# KiCad board panel12-1616.kicad_pcb (continued)
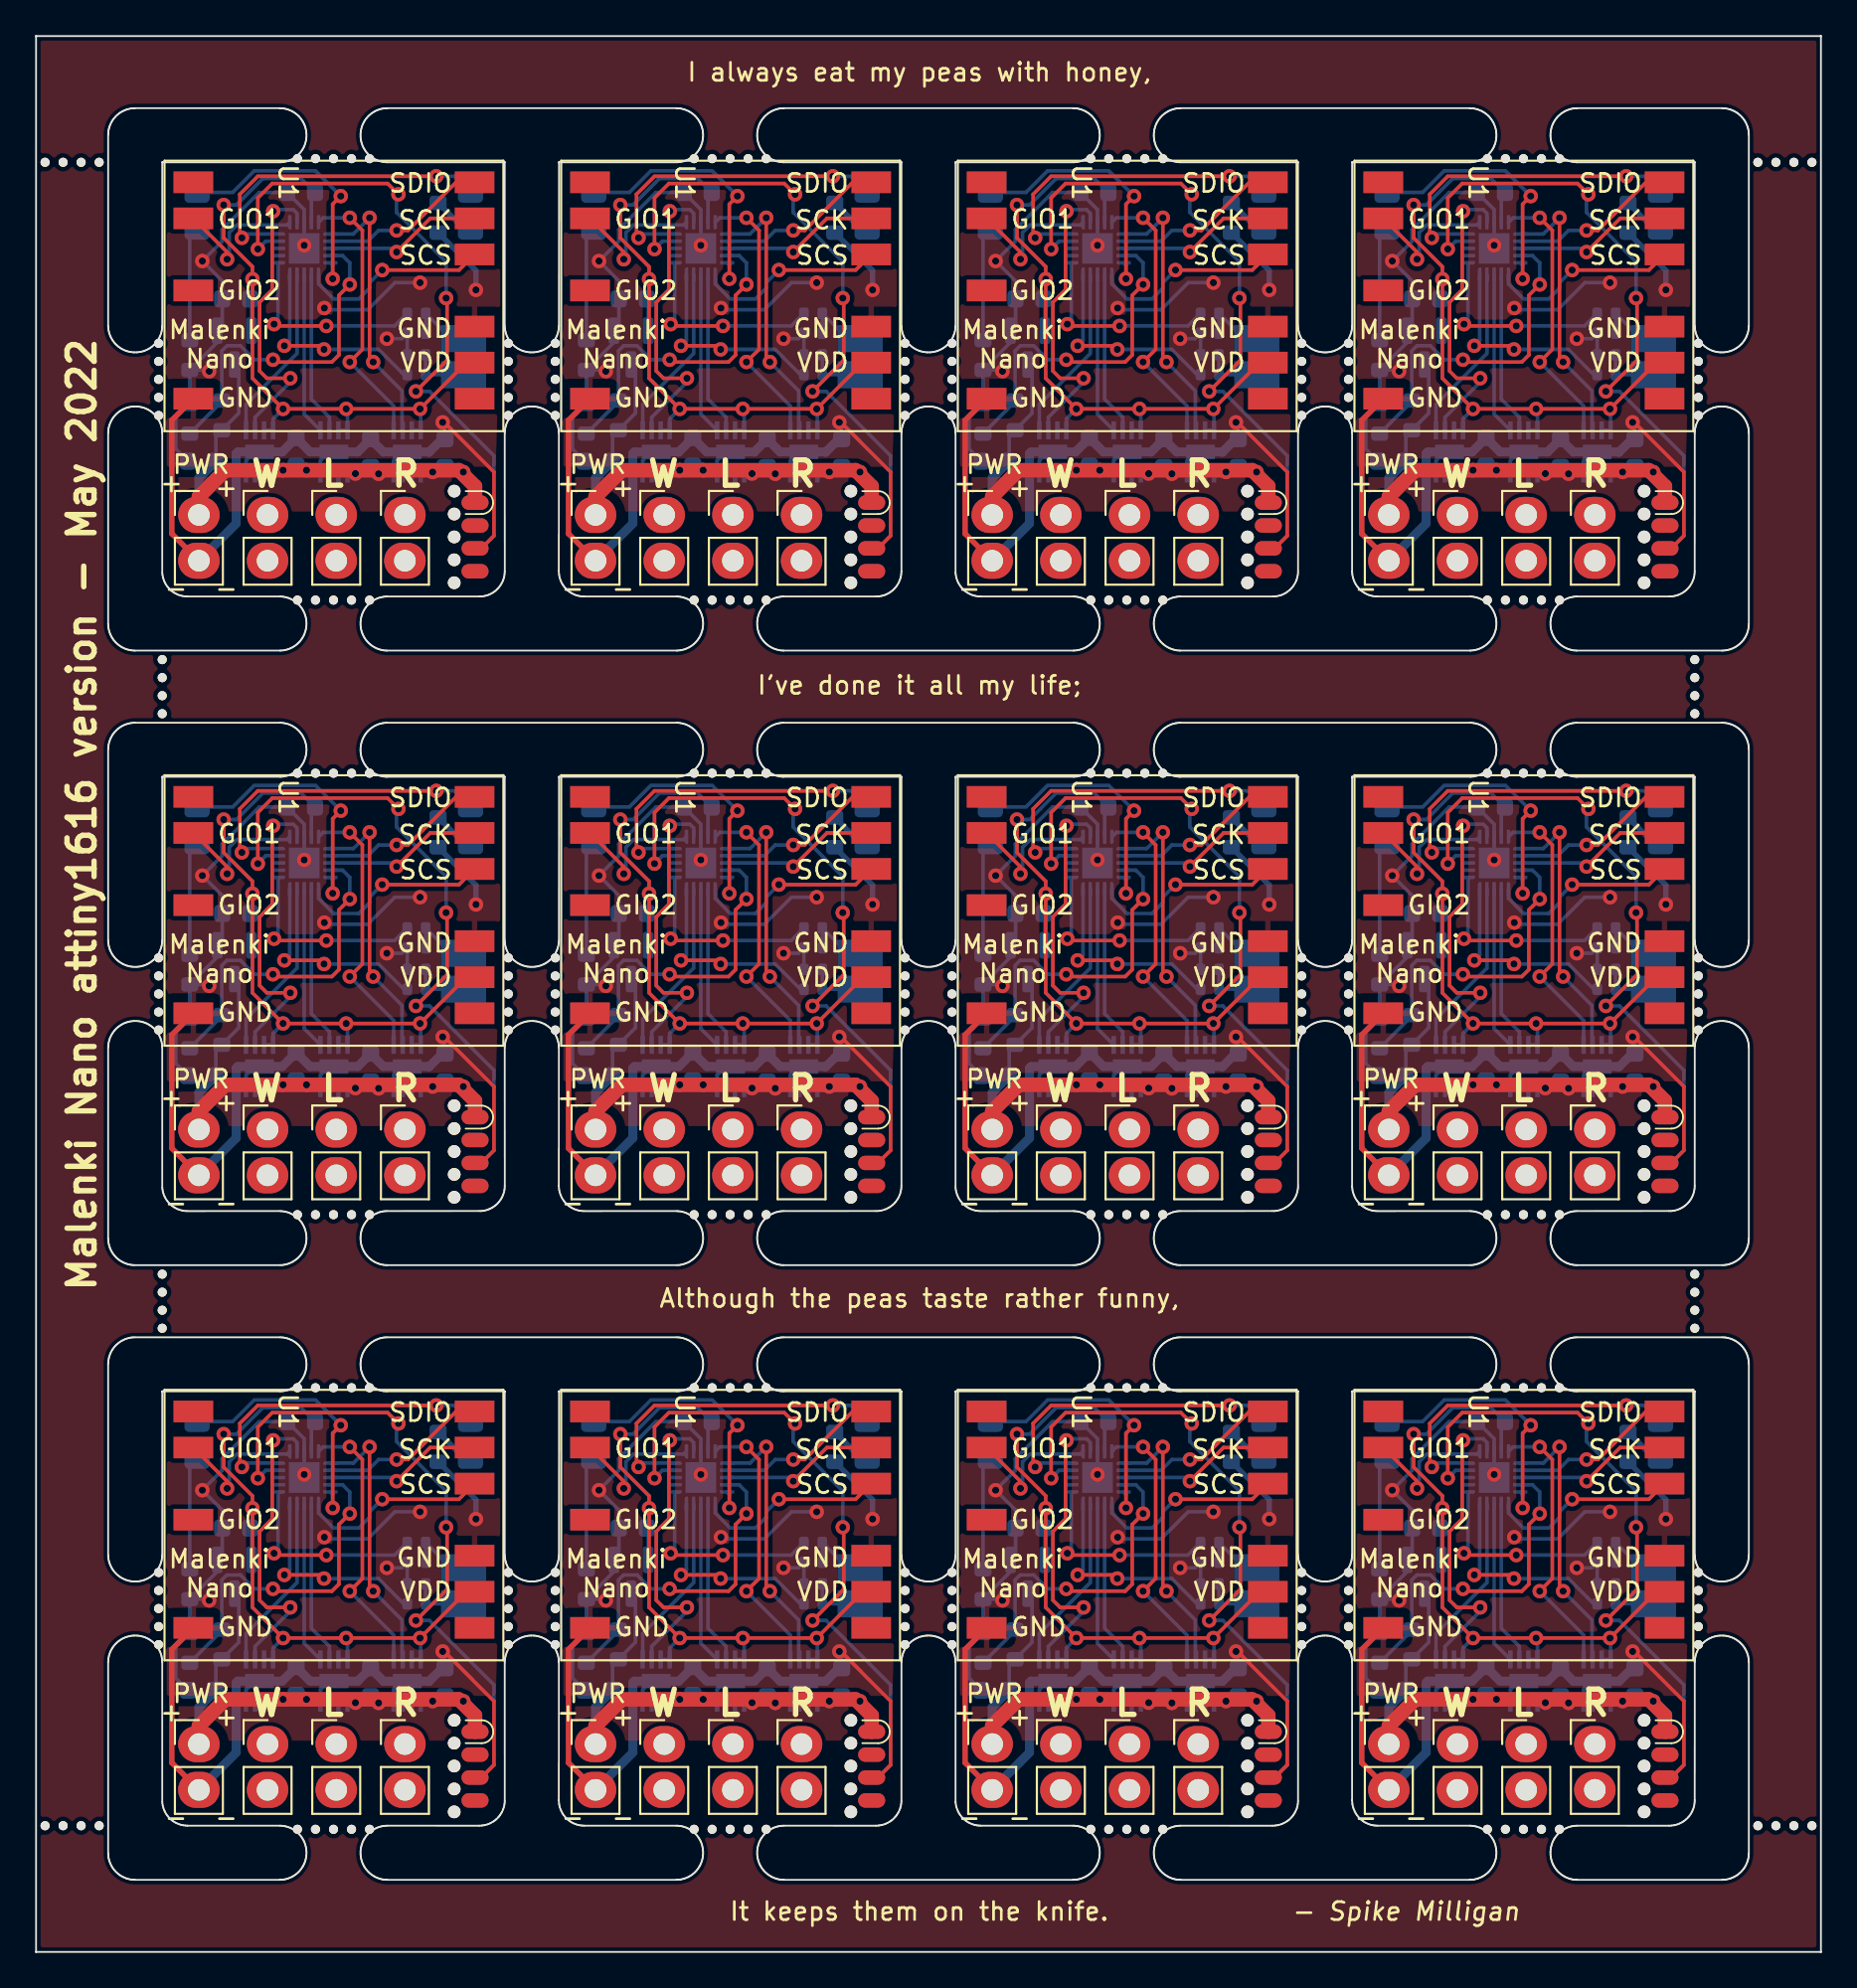
[diagram p0: board, top side]
## Nets (continued)
Board_9-Net-(J6-Pad1): J6#9.1 U6#8.3
Board_9-Net-(J6-Pad2): J6#9.2 U6#8.2
Board_9-Net-(J7-Pad1): J7#9.1 U7#12.3
Board_9-Net-(J7-Pad2): J7#9.2 U7#12.2
Board_9-SPI_SCK: U1#9.13 U3#5.8
Board_9-SPI_SCS: U1#9.12 U3#5.11
Board_9-SPI_SDIO: U1#9.14 U3#5.7
Board_9-TXDEBUG: D2#4.2 U3#5.20
Board_9-unconnected-(J2-Pad2): J2#9.2
Board_9-unconnected-(J2-Pad4): J2#9.4
Board_9-unconnected-(J2-Pad5): J2#9.5
Board_9-unconnected-(J2-Pad7): J2#9.7
Board_9-unconnected-(J2-Pad8): J2#9.8
Board_9-unconnected-(U1-Pad1): U1#9.1
Board_9-unconnected-(U1-Pad4): U1#9.4
Board_9-unconnected-(U1-Pad8): U1#9.8
Board_9-unconnected-(U3-Pad17): U3#5.17
Board_9-unconnected-(U3-Pad18): U3#5.18
Board_9-UPDI: J2#9.6 U3#5.19
Board_9-VBAT: C2#4.1 C5#11.1 C6.1 C7#11.1 J1#12.1 J2#9.1 R3#11.1 U2#6.3 U5#8.1 U6#8.1 U7#12.1
Board_9-VLOGIC: C3#11.1 C4.1 U1#9.9 U2#6.2 U3#5.4 U5#8.7 U5#8.8 U6#8.7 U6#8.8 U7#12.7 U7#12.8
Board_9-VSENSE: R3#11.2 R4#5.1 U3#5.9
Board_9-WEAPON2: J3#10.2 R5#9.1 R7#3.2
Board_9-WEAPON3: J3#10.1 R6#12.1 R8#7.2
Board_10-/W2: R5#7.2 U3#4.15
Board_10-/W3: R6#11.2 U3#4.16
Board_10-BLINKY: D1#4.2 U3#4.10
Board_10-GIO1: U1#4.2 U3#4.1
Board_10-GND: C2.2 C3#4.2 C4#7.2 C5#12.2 C6#9.2 C7#7.2 J1#2.2 J2#8.3 R1#12.2 R2#5.2 R4#7.2 R7.1 R8#2.1 U1#4.7 U1#4.10 U2#7.1 U3#4.3 U3#4.21 U5#10.4 U5#10.9 U6#5.4 U6#5.9 U7#10.4 U7#10.9
Board_10-MOTOR1F: U3#4.2 U5#10.6
Board_10-MOTOR1R: U3#4.14 U5#10.5
Board_10-MOTOR2F: U3#4.12 U6#5.6
Board_10-MOTOR2R: U3#4.13 U6#5.5
Board_10-MOTOR3F: U3#4.6 U7#10.6
Board_10-MOTOR3R: U3#4.5 U7#10.5
Board_10-Net-(D1-Pad1): D1#4.1 R1#12.1
Board_10-Net-(D2-Pad1): D2#6.1 R2#5.1
Board_10-Net-(J5-Pad1): J5#12.1 U5#10.3
Board_10-Net-(J5-Pad2): J5#12.2 U5#10.2
Board_10-Net-(J6-Pad1): J6#11.1 U6#5.3
Board_10-Net-(J6-Pad2): J6#11.2 U6#5.2
Board_10-Net-(J7-Pad1): J7#8.1 U7#10.3
Board_10-Net-(J7-Pad2): J7#8.2 U7#10.2
Board_10-SPI_SCK: U1#4.13 U3#4.8
Board_10-SPI_SCS: U1#4.12 U3#4.11
Board_10-SPI_SDIO: U1#4.14 U3#4.7
Board_10-TXDEBUG: D2#6.2 U3#4.20
Board_10-unconnected-(J2-Pad2): J2#8.2
Board_10-unconnected-(J2-Pad4): J2#8.4
Board_10-unconnected-(J2-Pad5): J2#8.5
Board_10-unconnected-(J2-Pad7): J2#8.7
Board_10-unconnected-(J2-Pad8): J2#8.8
Board_10-unconnected-(U1-Pad1): U1#4.1
Board_10-unconnected-(U1-Pad4): U1#4.4
Board_10-unconnected-(U1-Pad8): U1#4.8
Board_10-unconnected-(U3-Pad17): U3#4.17
Board_10-unconnected-(U3-Pad18): U3#4.18
Board_10-UPDI: J2#8.6 U3#4.19
Board_10-VBAT: C2.1 C5#12.1 C6#9.1 C7#7.1 J1#2.1 J2#8.1 R3#4.1 U2#7.3 U5#10.1 U6#5.1 U7#10.1
Board_10-VLOGIC: C3#4.1 C4#7.1 U1#4.9 U2#7.2 U3#4.4 U5#10.7 U5#10.8 U6#5.7 U6#5.8 U7#10.7 U7#10.8
Board_10-VSENSE: R3#4.2 R4#7.1 U3#4.9
Board_10-WEAPON2: J3#2.2 R5#7.1 R7.2
Board_10-WEAPON3: J3#2.1 R6#11.1 R8#2.2
Board_11-/W2: R5#8.2 U3#12.15
Board_11-/W3: R6#2.2 U3#12.16
Board_11-BLINKY: D1#5.2 U3#12.10
Board_11-GIO1: U1#5.2 U3#12.1
Board_11-GND: C2#5.2 C3#6.2 C4#6.2 C5#10.2 C6#8.2 C7#5.2 J1#6.2 J2#5.3 R1#2.2 R2.2 R4#6.2 R7#4.1 R8#8.1 U1#5.7 U1#5.10 U2#9.1 U3#12.3 U3#12.21 U5#9.4 U5#9.9 U6#2.4 U6#2.9 U7#6.4 U7#6.9
Board_11-MOTOR1F: U3#12.2 U5#9.6
Board_11-MOTOR1R: U3#12.14 U5#9.5
Board_11-MOTOR2F: U3#12.12 U6#2.6
Board_11-MOTOR2R: U3#12.13 U6#2.5
Board_11-MOTOR3F: U3#12.6 U7#6.6
Board_11-MOTOR3R: U3#12.5 U7#6.5
Board_11-Net-(D1-Pad1): D1#5.1 R1#2.1
Board_11-Net-(D2-Pad1): D2#5.1 R2.1
Board_11-Net-(J5-Pad1): J5#3.1 U5#9.3
Board_11-Net-(J5-Pad2): J5#3.2 U5#9.2
Board_11-Net-(J6-Pad1): J6#2.1 U6#2.3
Board_11-Net-(J6-Pad2): J6#2.2 U6#2.2
Board_11-Net-(J7-Pad1): J7#6.1 U7#6.3
Board_11-Net-(J7-Pad2): J7#6.2 U7#6.2
Board_11-SPI_SCK: U1#5.13 U3#12.8
Board_11-SPI_SCS: U1#5.12 U3#12.11
Board_11-SPI_SDIO: U1#5.14 U3#12.7
Board_11-TXDEBUG: D2#5.2 U3#12.20
Board_11-unconnected-(J2-Pad2): J2#5.2
Board_11-unconnected-(J2-Pad4): J2#5.4
Board_11-unconnected-(J2-Pad5): J2#5.5
Board_11-unconnected-(J2-Pad7): J2#5.7
Board_11-unconnected-(J2-Pad8): J2#5.8
Board_11-unconnected-(U1-Pad1): U1#5.1
Board_11-unconnected-(U1-Pad4): U1#5.4
Board_11-unconnected-(U1-Pad8): U1#5.8
Board_11-unconnected-(U3-Pad17): U3#12.17
Board_11-unconnected-(U3-Pad18): U3#12.18
Board_11-UPDI: J2#5.6 U3#12.19
Board_11-VBAT: C2#5.1 C5#10.1 C6#8.1 C7#5.1 J1#6.1 J2#5.1 R3#3.1 U2#9.3 U5#9.1 U6#2.1 U7#6.1
Board_11-VLOGIC: C3#6.1 C4#6.1 U1#5.9 U2#9.2 U3#12.4 U5#9.7 U5#9.8 U6#2.7 U6#2.8 U7#6.7 U7#6.8
Board_11-VSENSE: R3#3.2 R4#6.1 U3#12.9
Board_11-WEAPON2: J3#11.2 R5#8.1 R7#4.2
Board_11-WEAPON3: J3#11.1 R6#2.1 R8#8.2

## Via types
v1: diameter 0.8, hole 0.4, Top to Bottom, 516 vias

## Routing (per net, layer and track width the routed paths; a pad name or vN(x,y) marks a point on that pad's centre or on a via; arc(x,y) is an arc through that point)
Board_0-/W2: length 11.6
  Top w0.2: v1(15.97,88.87) 15.77,89.07 v1(13.78,89.07)
  Bottom w0.2: v1(15.97,88.87) 19,88.87 20.4,87.47 R5#10.2 ; U3#8.15 14.08,89.37 v1(13.78,89.07)
Board_0-/W3: length 11.2
  Top w0.2: v1(13.2,90.27) 13.3,90.17 v1(16.1,90.17)
  Bottom w0.2: R6.2 19.89,90.17 v1(16.1,90.17) ; U3#8.16 13.43,90.5 v1(13.2,90.27)
Board_0-BLINKY: length 14.8
  Top w0.2: v1(16.9,97.37) 16.46,96.93 v1(16.46,92.79)
  Bottom w0.2: D1#7.2 10.91,97.58 12.1,98.77 15.5,98.77 v1(16.9,97.37) ; U3#8.10 16.46,93.54 v1(16.46,92.79)
Board_0-GIO1: length 8.2
  Top w0.2: U1#7.2 10.6,94.26 v1(10.6,93.87)
  Bottom w0.2: U3#8.1 13.93,95.77 11.14,95.77 10.72,95.35 10.72,93.99 v1(10.6,93.87)
Board_0-GND: length 81.6
  Top w0.2: v1(22.56,84.83) 22.6,84.87 25.4,82.07 25.4,78.54 24.7,77.84 J2#11.3
  Top w0.3: J1#10.2 7.53,78.65 7.53,84.95 U1#7.7
  Bottom w0.2: U6#7.4 15.78,82.71 16.25,83.19 U6#7.9 ; v1(9.6,87.66) 9.53,87.73 R1#10.2 ; R7#10.1 R8#6.1 20.29,89.47 v1(19.46,89.47) ; C7.2 22.69,84.7 v1(22.56,84.83) ; C2#7.2 7.75,83.36 7.75,85.08 R4#10.2 R1#10.2 ; U5#3.4 11.65,82.71 12.12,83.19 U5#3.9 ; v1(15.99,91.17) 16.09,91.07 18.4,91.07 19.9,92.57 v1(21.3,92.57) ; R1#10.2 10.05,89.26 U2#11.1 10.33,90.19 C3#10.2 10.33,92.67 v1(9.22,93.77) 10.32,94.87 10.32,95.51 12.38,97.57 C4#12.2 14.88,96.63 U3#8.3 v1(14.88,94.65) U3#8.21 ; U7.9 20.32,83.19 19.84,82.71 U7.4
  Bottom w0.3: R2#2.2 24.4,93.25 v1(24.4,92.17)
  Bottom w0.5: C7.2 22.53,83.9 21.8,83.17 21.79,83.19 U7.9 19.27,83.19 C6#12.2 17.85,83.19 U6#7.9 15.21,83.19 C5#9.2 13.66,83.19 U5#3.9 11.19,83.19 11.1,83.1 11.1,79.22 J1#10.2
Board_0-MOTOR1F: length 16.7
  Top w0.2: v1(13.15,96.54) 13.1,96.49 13.1,92.18 12.4,91.48 12.4,87.67 12.8,87.27 v1(14.1,87.27)
  Bottom w0.2: U3#8.2 14.48,96.42 14.27,96.62 13.24,96.62 v1(13.15,96.54) ; U5#3.6 12.15,85.11 14.1,87.06 v1(14.1,87.27)
Board_0-MOTOR1R: length 9.8
  Bottom w0.2: U3#8.14 14.48,88.65 11.65,85.82 U5#3.5
Board_0-MOTOR2F: length 9.1
  Bottom w0.2: U3#8.12 15.28,86.11 16.28,85.11 U6#7.6
Board_0-MOTOR2R: length 9
  Bottom w0.2: U6#7.5 14.88,85.29 U3#8.13
Board_0-MOTOR3F: length 15.1
  Top w0.2: v1(18.5,96.17) 18.5,88.37 v1(18.7,88.17)
  Bottom w0.2: v1(18.7,88.17) 20.3,86.57 20.3,84.42 U7.6 ; v1(18.5,96.17) 17.6,95.27 U3#8.6
Board_0-MOTOR3R: length 15.2
  Top w0.2: v1(17.4,96.17) 18.1,95.47 18.1,88.87 v1(17.4,88.17)
  Bottom w0.2: v1(17.4,96.17) 15.93,96.17 U3#8.5 ; U7.5 19.84,85.74 v1(17.4,88.17)
Board_0-Net-(D1-Pad1): length 6.3
  Bottom w0.2: R1#10.1 8.53,95.13 D1#7.1
Board_0-Net-(D2-Pad1): length 2.4
  Bottom w0.3: D2#10.1 23.77,95.53 R2#2.1
Board_0-SPI_SCK: length 8.9
  Top w0.2: v1(20,94.27) 21.87,96.14 U1#7.13
  Bottom w0.2: v1(20,94.27) 19.8,94.47 U3#8.8
Board_0-SPI_SCS: length 10.7
  Top w0.2: v1(19.2,93.27) 23.46,93.27 U1#7.12
  Bottom w0.2: v1(19.2,93.27) 18.5,92.57 18.5,92.27 17.9,91.67 16.5,91.67 15.68,92.5 U3#8.11
Board_0-SPI_SDIO: length 9.4
  Top w0.2: v1(20,95.47) 20.64,95.47 23.3,98.14 U1#7.14
  Bottom w0.2: U3#8.7 18.4,94.87 19,95.47 v1(20,95.47)
Board_0-TXDEBUG: length 18.1
  Top w0.2: v1(22.2,98.47) 12.3,98.47 11.3,97.47 11.3,95.17 v1(11.42,95.06)
  Bottom w0.2: v1(11.42,95.06) 11.63,95.27 U3#8.20 ; D2#10.2 23.21,98.47 v1(22.2,98.47)
Board_0-UPDI: length 36.9
  Top w0.2: v1(20.1,97.47) 19.5,98.07 13.1,98.07 12.31,97.28 v1(12.31,94.44) ; v1(22.75,91.72) 22.8,91.66 22.8,88.28 v1(21.07,86.55)
  Bottom w0.2: v1(20.1,97.47) 20,97.37 20,96.47 22.75,93.72 v1(22.75,91.72) ; J2#11.6 24.7,77.84 25.4,78.54 25.4,82.97 21.83,86.55 v1(21.07,86.55) ; U3#8.19 12.74,94.87 v1(12.31,94.44)
Board_0-VBAT: length 27.6
  Top w0.8: J1#10.1 9.03,80.7 10.5,82.17 v1(13.7,82.17) v1(15,82.17) 23.46,82.17 24.35,81.28 J2#11.1
  Bottom w0.2: C2#7.1 9.98,84.07 R3.1 11.25,85.34 11.25,87.79 U2#11.3
  Bottom w0.5: J1#10.1 9.03,81.73 C2#7.1
  vias: v1(17.72,81.99) v1(19,81.97) v1(22,82.07) v1(23.7,82.07)
Board_0-VLOGIC: length 40.4
  Top w0.2: v1(10.41,96.88) 10.41,95.05 12,93.46 v1(12,92.77) 12,87.27 v1(13.7,85.57) v1(17.2,85.57) v1(21.3,85.57) 23.87,88.14 U1#7.9
  Bottom w0.2: v1(21.3,85.57) 21.34,85.54 U7.8 U7.7 ; v1(13.7,85.57) 13.15,85.02 U5#3.8 U5#3.7 ; v1(12,92.77) 12,91.8 C3#10.1 11.95,91.6 U2#11.2 ; v1(10.41,96.88) 11.11,96.88 12.58,98.35 14.7,98.35 C4#12.1 15.28,97.37 U3#8.4 ; U6#7.7 U6#7.8 17.28,85.5 v1(17.2,85.57)
Board_0-VSENSE: length 19.1
  Top w0.2: v1(17.4,92.47) 16.8,91.87 16.8,88.56 16.41,88.17 13.27,88.17 v1(13.14,88.3)
  Bottom w0.2: U3#8.9 17,94.07 17.4,93.67 v1(17.4,92.47) ; v1(13.14,88.3) 12.11,88.3 11.34,89.07 10.59,89.07 10.3,88.79 R3.2 10.3,85.98 R4#10.1
Board_0-WEAPON2: length 3.2
  Bottom w0.2: R7#10.2 R5#10.1 21.61,87.47 J3#6.2
Board_0-WEAPON3: length 3.8
  Bottom w0.2: R8#6.2 R6.1 23.01,89.47 J3#6.1
Board_1-/W2: length 11.6
  Top w0.2: v1(37.98,88.87) 37.78,89.07 v1(35.78,89.07)
  Bottom w0.2: R5#11.2 42.4,87.47 41,88.87 v1(37.98,88.87) ; v1(35.78,89.07) 36.08,89.37 U3#7.15
Board_1-/W3: length 11.2
  Top w0.2: v1(35.21,90.27) 35.31,90.17 v1(38.11,90.17)
  Bottom w0.2: U3#7.16 35.43,90.5 v1(35.21,90.27) ; v1(38.11,90.17) 41.9,90.17 R6#7.2
Board_1-BLINKY: length 14.8
  Top w0.2: v1(38.46,92.79) 38.46,96.93 v1(38.91,97.37)
  Bottom w0.2: U3#7.10 38.46,93.54 v1(38.46,92.79) ; v1(38.91,97.37) 37.51,98.77 34.11,98.77 32.92,97.58 D1#2.2
Board_1-GIO1: length 8.2
  Top w0.2: U1#10.2 32.61,94.26 v1(32.61,93.87)
  Bottom w0.2: v1(32.61,93.87) 32.72,93.99 32.72,95.35 33.15,95.77 35.93,95.77 U3#7.1
Board_1-GND: length 81.6
  Top w0.2: v1(44.56,84.83) 44.61,84.87 47.41,82.07 47.41,78.54 46.71,77.84 J2#10.3
  Top w0.3: U1#10.7 29.54,84.95 29.54,78.65 J1#11.2
  Bottom w0.2: U6#3.4 37.78,82.71 38.26,83.19 U6#3.9 ; v1(41.47,89.47) 42.29,89.47 R8#4.1 R7#11.1 ; U5.9 34.13,83.19 33.65,82.71 U5.4 ; C7#2.2 44.69,84.7 v1(44.56,84.83) ; v1(38,91.17) 38.09,91.07 40.41,91.07 41.91,92.57 v1(43.31,92.57) ; R1.2 32.06,89.26 U2#2.1 32.33,90.19 C3#12.2 32.33,92.67 v1(31.23,93.77) 32.32,94.87 32.32,95.51 34.38,97.57 C4#4.2 36.88,96.63 U3#7.3 v1(36.88,94.65) U3#7.21 ; R1.2 31.54,87.73 v1(31.61,87.66) ; R1.2 R4#8.2 29.76,85.08 29.76,83.36 C2#2.2 ; U7#8.9 42.32,83.19 41.85,82.71 U7#8.4
  Bottom w0.3: v1(46.41,92.17) 46.41,93.25 R2#6.2
  Bottom w0.5: J1#11.2 33.11,79.22 33.11,83.1 33.2,83.19 U5.9 35.66,83.19 C5#4.2 37.21,83.19 U6#3.9 39.85,83.19 C6#7.2 41.27,83.19 U7#8.9 43.8,83.19 43.81,83.17 44.53,83.9 C7#2.2
Board_1-MOTOR1F: length 16.7
  Top w0.2: v1(36.11,87.27) 34.81,87.27 34.41,87.67 34.41,91.48 35.11,92.18 35.11,96.49 v1(35.16,96.54)
  Bottom w0.2: U3#7.2 36.48,96.42 36.27,96.62 35.24,96.62 v1(35.16,96.54) ; v1(36.11,87.27) 36.11,87.06 34.15,85.11 U5.6
Board_1-MOTOR1R: length 9.8
  Bottom w0.2: U5.5 33.65,85.82 36.48,88.65 U3#7.14
Board_1-MOTOR2F: length 9.1
  Bottom w0.2: U6#3.6 38.28,85.11 37.28,86.11 U3#7.12
Board_1-MOTOR2R: length 9
  Bottom w0.2: U3#7.13 36.88,85.29 U6#3.5
Board_1-MOTOR3F: length 15.1
  Top w0.2: v1(40.71,88.17) 40.51,88.37 v1(40.51,96.17)
  Bottom w0.2: U7#8.6 42.31,84.42 42.31,86.57 v1(40.71,88.17) ; v1(40.51,96.17) 39.61,95.27 U3#7.6
Board_1-MOTOR3R: length 15.2
  Top w0.2: v1(39.41,88.17) 40.11,88.87 40.11,95.47 v1(39.41,96.17)
  Bottom w0.2: U3#7.5 37.93,96.17 v1(39.41,96.17) ; v1(39.41,88.17) 41.85,85.74 U7#8.5
Board_1-Net-(D1-Pad1): length 6.3
  Bottom w0.2: R1.1 30.53,95.13 D1#2.1
Board_1-Net-(D2-Pad1): length 2.4
  Bottom w0.3: D2#11.1 45.78,95.53 R2#6.1
Board_1-SPI_SCK: length 8.9
  Top w0.2: v1(42.01,94.27) 43.87,96.14 U1#10.13
  Bottom w0.2: v1(42.01,94.27) 41.81,94.47 U3#7.8
Board_1-SPI_SCS: length 10.7
  Top w0.2: v1(41.21,93.27) 45.47,93.27 U1#10.12
  Bottom w0.2: v1(41.21,93.27) 40.51,92.57 40.51,92.27 39.91,91.67 38.51,91.67 37.68,92.5 U3#7.11
Board_1-SPI_SDIO: length 9.4
  Top w0.2: v1(42.01,95.47) 42.64,95.47 45.31,98.14 U1#10.14
  Bottom w0.2: U3#7.7 40.41,94.87 41.01,95.47 v1(42.01,95.47)
Board_1-TXDEBUG: length 18.1
  Top w0.2: v1(44.21,98.47) 34.31,98.47 33.31,97.47 33.31,95.17 v1(33.42,95.06)
  Bottom w0.2: v1(33.42,95.06) 33.64,95.27 U3#7.20 ; v1(44.21,98.47) 45.22,98.47 D2#11.2
Board_1-UPDI: length 36.9
  Top w0.2: v1(34.31,94.44) 34.31,97.28 35.11,98.07 41.51,98.07 v1(42.11,97.47) ; v1(44.75,91.72) 44.81,91.66 44.81,88.28 v1(43.08,86.55)
  Bottom w0.2: J2#10.6 46.71,77.84 47.41,78.54 47.41,82.97 43.84,86.55 v1(43.08,86.55) ; v1(42.11,97.47) 42.01,97.37 42.01,96.47 44.75,93.72 v1(44.75,91.72) ; v1(34.31,94.44) 34.75,94.87 U3#7.19
Board_1-VBAT: length 27.6
  Top w0.8: J1#11.1 31.04,80.7 32.51,82.17 v1(35.71,82.17) v1(37.01,82.17) 45.46,82.17 46.36,81.28 J2#10.1
  Bottom w0.2: C2#2.1 31.98,84.07 R3#6.1 33.25,85.34 33.25,87.79 U2#2.3
  Bottom w0.5: J1#11.1 31.04,81.73 C2#2.1
  vias: v1(39.72,81.99) v1(41.01,81.97) v1(44.01,82.07) v1(45.71,82.07)
Board_1-VLOGIC: length 40.4
  Top w0.2: U1#10.9 45.87,88.14 v1(43.31,85.57) v1(39.21,85.57) v1(35.71,85.57) 34.01,87.27 v1(34.01,92.77) 34.01,93.46 32.41,95.05 v1(32.41,96.88)
  Bottom w0.2: v1(35.71,85.57) 35.15,85.02 U5.8 U5.7 ; U2#2.2 33.96,91.6 C3#12.1 34.01,91.8 v1(34.01,92.77) ; U3#7.4 37.28,97.37 C4#4.1 36.71,98.35 34.58,98.35 33.12,96.88 v1(32.41,96.88) ; v1(43.31,85.57) 43.35,85.54 U7#8.8 U7#8.7 ; U6#3.7 U6#3.8 39.28,85.5 v1(39.21,85.57)
Board_1-VSENSE: length 19.1
  Top w0.2: v1(39.41,92.47) 38.81,91.87 38.81,88.56 38.42,88.17 35.27,88.17 v1(35.15,88.3)
  Bottom w0.2: R4#8.1 32.31,85.98 R3#6.2 32.31,88.79 32.59,89.07 33.34,89.07 34.12,88.3 v1(35.15,88.3) ; v1(39.41,92.47) 39.41,93.67 39.01,94.07 U3#7.9
Board_1-WEAPON2: length 3.2
  Bottom w0.2: R7#11.2 R5#11.1 43.62,87.47 J3#9.2
Board_1-WEAPON3: length 3.8
  Bottom w0.2: R8#4.2 R6#7.1 45.02,89.47 J3#9.1
Board_2-/W2: length 11.6
  Top w0.2: v1(59.98,88.87) 59.78,89.07 v1(57.79,89.07)
  Bottom w0.2: v1(59.98,88.87) 63.01,88.87 64.41,87.47 R5#4.2 ; v1(57.79,89.07) 58.09,89.37 U3#6.15
Board_2-/W3: length 11.2
  Top w0.2: v1(60.11,90.17) 57.31,90.17 v1(57.21,90.27)
  Bottom w0.2: R6#3.2 63.9,90.17 v1(60.11,90.17) ; U3#6.16 57.44,90.5 v1(57.21,90.27)
Board_2-BLINKY: length 14.8
  Top w0.2: v1(60.47,92.79) 60.47,96.93 v1(60.91,97.37)
  Bottom w0.2: U3#6.10 60.47,93.54 v1(60.47,92.79) ; v1(60.91,97.37) 59.51,98.77 56.11,98.77 54.92,97.58 D1#3.2
Board_2-GIO1: length 8.2
  Top w0.2: U1.2 54.61,94.26 v1(54.61,93.87)
  Bottom w0.2: v1(54.61,93.87) 54.73,93.99 54.73,95.35 55.15,95.77 57.94,95.77 U3#6.1
Board_2-GND: length 81.6
  Top w0.2: v1(66.57,84.83) 66.61,84.87 69.41,82.07 69.41,78.54 68.71,77.84 J2#3.3
  Top w0.3: U1.7 51.54,84.95 51.54,78.65 J1#7.2
  Bottom w0.2: C7#12.2 66.7,84.7 v1(66.57,84.83) ; U6#10.4 59.79,82.71 60.26,83.19 U6#10.9 ; v1(53.61,87.66) 53.54,87.73 R1#11.2 ; R1#11.2 54.06,89.26 U2#3.1 54.34,90.19 C3#5.2 54.34,92.67 v1(53.23,93.77) 54.33,94.87 54.33,95.51 56.39,97.57 C4#9.2 58.89,96.63 U3#6.3 v1(58.89,94.65) U3#6.21 ; R1#11.2 R4#4.2 51.76,85.08 51.76,83.36 C2#3.2 ; U7#5.9 64.33,83.19 63.85,82.71 U7#5.4 ; U5#5.4 55.66,82.71 56.13,83.19 U5#5.9 ; R7#7.1 R8.1 64.3,89.47 v1(63.47,89.47) ; v1(60,91.17) 60.1,91.07 62.41,91.07 63.91,92.57 v1(65.31,92.57)
  Bottom w0.3: R2#4.2 68.41,93.25 v1(68.41,92.17)
  Bottom w0.5: J1#7.2 55.11,79.22 55.11,83.1 55.2,83.19 U5#5.9 57.67,83.19 C5#8.2 59.22,83.19 U6#10.9 61.86,83.19 C6#11.2 63.28,83.19 U7#5.9 65.8,83.19 65.81,83.17 66.54,83.9 C7#12.2
Board_2-MOTOR1F: length 16.7
  Top w0.2: v1(58.11,87.27) 56.81,87.27 56.41,87.67 56.41,91.48 57.11,92.18 57.11,96.49 v1(57.16,96.54)
  Bottom w0.2: v1(58.11,87.27) 58.11,87.06 56.16,85.11 U5#5.6 ; v1(57.16,96.54) 57.25,96.62 58.28,96.62 58.49,96.42 U3#6.2
Board_2-MOTOR1R: length 9.8
  Bottom w0.2: U3#6.14 58.49,88.65 55.66,85.82 U5#5.5
Board_2-MOTOR2F: length 9.1
  Bottom w0.2: U6#10.6 60.29,85.11 59.29,86.11 U3#6.12
Board_2-MOTOR2R: length 9
  Bottom w0.2: U3#6.13 58.89,85.29 U6#10.5
Board_2-MOTOR3F: length 15.1
  Top w0.2: v1(62.51,96.17) 62.51,88.37 v1(62.71,88.17)
  Bottom w0.2: U3#6.6 61.61,95.27 v1(62.51,96.17) ; U7#5.6 64.31,84.42 64.31,86.57 v1(62.71,88.17)
Board_2-MOTOR3R: length 15.2
  Top w0.2: v1(61.41,96.17) 62.11,95.47 62.11,88.87 v1(61.41,88.17)
  Bottom w0.2: U3#6.5 59.94,96.17 v1(61.41,96.17) ; U7#5.5 63.85,85.74 v1(61.41,88.17)
Board_2-Net-(D1-Pad1): length 6.3
  Bottom w0.2: R1#11.1 52.54,95.13 D1#3.1
Board_2-Net-(D2-Pad1): length 2.4
  Bottom w0.3: D2#3.1 67.78,95.53 R2#4.1
Board_2-SPI_SCK: length 8.9
  Top w0.2: v1(64.01,94.27) 65.88,96.14 U1.13
  Bottom w0.2: v1(64.01,94.27) 63.81,94.47 U3#6.8
Board_2-SPI_SCS: length 10.7
  Top w0.2: U1.12 67.47,93.27 v1(63.21,93.27)
  Bottom w0.2: v1(63.21,93.27) 62.51,92.57 62.51,92.27 61.91,91.67 60.51,91.67 59.69,92.5 U3#6.11
Board_2-SPI_SDIO: length 9.4
  Top w0.2: U1.14 67.31,98.14 64.65,95.47 v1(64.01,95.47)
  Bottom w0.2: v1(64.01,95.47) 63.01,95.47 62.41,94.87 U3#6.7
Board_2-TXDEBUG: length 18.1
  Top w0.2: v1(55.43,95.06) 55.31,95.17 55.31,97.47 56.31,98.47 v1(66.21,98.47)
  Bottom w0.2: D2#3.2 67.22,98.47 v1(66.21,98.47) ; v1(55.43,95.06) 55.64,95.27 U3#6.20
Board_2-UPDI: length 36.9
  Top w0.2: v1(56.31,94.44) 56.31,97.28 57.11,98.07 63.51,98.07 v1(64.11,97.47) ; v1(65.08,86.55) 66.81,88.28 66.81,91.66 v1(66.76,91.72)
  Bottom w0.2: v1(56.31,94.44) 56.75,94.87 U3#6.19 ; J2#3.6 68.71,77.84 69.41,78.54 69.41,82.97 65.84,86.55 v1(65.08,86.55) ; v1(64.11,97.47) 64.01,97.37 64.01,96.47 66.76,93.72 v1(66.76,91.72)
Board_2-VBAT: length 27.6
  Top w0.8: J1#7.1 53.04,80.7 54.51,82.17 v1(57.71,82.17) v1(59.01,82.17) 67.47,82.17 68.36,81.28 J2#3.1
  Bottom w0.2: U2#3.3 55.26,87.79 55.26,85.34 R3#9.1 53.99,84.07 C2#3.1
  Bottom w0.5: J1#7.1 53.04,81.73 C2#3.1
  vias: v1(61.73,81.99) v1(63.01,81.97) v1(66.01,82.07) v1(67.71,82.07)
Board_2-VLOGIC: length 40.4
  Top w0.2: v1(54.42,96.88) 54.42,95.05 56.01,93.46 v1(56.01,92.77) 56.01,87.27 v1(57.71,85.57) v1(61.21,85.57) v1(65.31,85.57) 67.88,88.14 U1.9
  Bottom w0.2: U3#6.4 59.29,97.37 C4#9.1 58.71,98.35 56.59,98.35 55.12,96.88 v1(54.42,96.88) ; v1(65.31,85.57) 65.35,85.54 U7#5.8 U7#5.7 ; U5#5.7 U5#5.8 57.16,85.02 v1(57.71,85.57) ; U2#3.2 55.96,91.6 C3#5.1 56.01,91.8 v1(56.01,92.77) ; v1(61.21,85.57) 61.29,85.5 U6#10.8 U6#10.7
Board_2-VSENSE: length 19.1
  Top w0.2: v1(61.41,92.47) 60.81,91.87 60.81,88.56 60.42,88.17 57.28,88.17 v1(57.15,88.3)
  Bottom w0.2: v1(57.15,88.3) 56.12,88.3 55.35,89.07 54.6,89.07 54.31,88.79 R3#9.2 54.31,85.98 R4#4.1 ; v1(61.41,92.47) 61.41,93.67 61.01,94.07 U3#6.9
Board_2-WEAPON2: length 3.2
  Bottom w0.2: J3#12.2 65.62,87.47 R5#4.1 R7#7.2
Board_2-WEAPON3: length 3.8
  Bottom w0.2: R8.2 R6#3.1 67.02,89.47 J3#12.1
Board_3-/W2: length 11.6
  Top w0.2: v1(81.99,88.87) 81.79,89.07 v1(79.79,89.07)
  Bottom w0.2: U3#2.15 80.09,89.37 v1(79.79,89.07) ; R5#6.2 86.41,87.47 85.01,88.87 v1(81.99,88.87)
Board_3-/W3: length 11.2
  Top w0.2: v1(82.12,90.17) 79.32,90.17 v1(79.22,90.27)
  Bottom w0.2: v1(82.12,90.17) 85.91,90.17 R6#5.2 ; v1(79.22,90.27) 79.44,90.5 U3#2.16
Board_3-BLINKY: length 14.8
  Top w0.2: v1(82.47,92.79) 82.47,96.93 v1(82.92,97.37)
  Bottom w0.2: U3#2.10 82.47,93.54 v1(82.47,92.79) ; v1(82.92,97.37) 81.52,98.77 78.12,98.77 76.93,97.58 D1#10.2
Board_3-GIO1: length 8.2
  Top w0.2: U1#8.2 76.62,94.26 v1(76.62,93.87)
  Bottom w0.2: U3#2.1 79.94,95.77 77.16,95.77 76.73,95.35 76.73,93.99 v1(76.62,93.87)
Board_3-GND: length 81.6
  Top w0.2: J2.3 90.72,77.84 91.42,78.54 91.42,82.07 88.62,84.87 v1(88.57,84.83)
  Top w0.3: J1.2 73.55,78.65 73.55,84.95 U1#8.7
  Bottom w0.2: R1#8.2 75.55,87.73 v1(75.62,87.66) ; R1#8.2 76.07,89.26 U2#12.1 76.34,90.19 C3#7.2 76.34,92.67 v1(75.24,93.77) 76.33,94.87 76.33,95.51 78.39,97.57 C4#11.2 80.89,96.63 U3#2.3 v1(80.89,94.65) U3#2.21 ; R1#8.2 R4#9.2 73.77,85.08 73.77,83.36 C2#6.2 ; U7#7.4 85.85,82.71 86.33,83.19 U7#7.9 ; v1(85.48,89.47) 86.3,89.47 R8#3.1 R7#2.1 ; U5#12.9 78.14,83.19 77.66,82.71 U5#12.4 ; C7#8.2 88.7,84.7 v1(88.57,84.83) ; U6#9.4 81.79,82.71 82.27,83.19 U6#9.9 ; v1(87.32,92.57) 85.92,92.57 84.42,91.07 82.1,91.07 v1(82.01,91.17)
  Bottom w0.3: v1(90.42,92.17) 90.42,93.25 R2#9.2
  Bottom w0.5: C7#8.2 88.54,83.9 87.82,83.17 87.81,83.19 U7#7.9 85.28,83.19 C6#5.2 83.86,83.19 U6#9.9 81.22,83.19 C5.2 79.67,83.19 U5#12.9 77.21,83.19 77.12,83.1 77.12,79.22 J1.2
Board_3-MOTOR1F: length 16.7
  Top w0.2: v1(80.12,87.27) 78.82,87.27 78.42,87.67 78.42,91.48 79.12,92.18 79.12,96.49 v1(79.17,96.54)
  Bottom w0.2: v1(79.17,96.54) 79.25,96.62 80.28,96.62 80.49,96.42 U3#2.2 ; v1(80.12,87.27) 80.12,87.06 78.16,85.11 U5#12.6
Board_3-MOTOR1R: length 9.8
  Bottom w0.2: U3#2.14 80.49,88.65 77.66,85.82 U5#12.5
Board_3-MOTOR2F: length 9.1
  Bottom w0.2: U6#9.6 82.29,85.11 81.29,86.11 U3#2.12
Board_3-MOTOR2R: length 9
  Bottom w0.2: U6#9.5 80.89,85.29 U3#2.13
Board_3-MOTOR3F: length 15.1
  Top w0.2: v1(84.72,88.17) 84.52,88.37 v1(84.52,96.17)
  Bottom w0.2: U3#2.6 83.62,95.27 v1(84.52,96.17) ; v1(84.72,88.17) 86.32,86.57 86.32,84.42 U7#7.6
Board_3-MOTOR3R: length 15.2
  Top w0.2: v1(83.42,88.17) 84.12,88.87 84.12,95.47 v1(83.42,96.17)
  Bottom w0.2: U7#7.5 85.85,85.74 v1(83.42,88.17) ; U3#2.5 81.94,96.17 v1(83.42,96.17)
Board_3-Net-(D1-Pad1): length 6.3
  Bottom w0.2: R1#8.1 74.54,95.13 D1#10.1
Board_3-Net-(D2-Pad1): length 2.4
  Bottom w0.3: D2#8.1 89.78,95.53 R2#9.1
Board_3-SPI_SCK: length 8.9
  Top w0.2: U1#8.13 87.88,96.14 v1(86.02,94.27)
  Bottom w0.2: v1(86.02,94.27) 85.82,94.47 U3#2.8
Board_3-SPI_SCS: length 10.7
  Top w0.2: v1(85.22,93.27) 89.47,93.27 U1#8.12
  Bottom w0.2: v1(85.22,93.27) 84.52,92.57 84.52,92.27 83.92,91.67 82.52,91.67 81.69,92.5 U3#2.11
Board_3-SPI_SDIO: length 9.4
  Top w0.2: v1(86.02,95.47) 86.65,95.47 89.32,98.14 U1#8.14
  Bottom w0.2: v1(86.02,95.47) 85.02,95.47 84.42,94.87 U3#2.7
Board_3-TXDEBUG: length 18.1
  Top w0.2: v1(88.22,98.47) 78.32,98.47 77.32,97.47 77.32,95.17 v1(77.43,95.06)
  Bottom w0.2: v1(77.43,95.06) 77.65,95.27 U3#2.20 ; v1(88.22,98.47) 89.23,98.47 D2#8.2
Board_3-UPDI: length 36.9
  Top w0.2: v1(88.76,91.72) 88.82,91.66 88.82,88.28 v1(87.09,86.55) ; v1(86.12,97.47) 85.52,98.07 79.12,98.07 78.32,97.28 v1(78.32,94.44)
  Bottom w0.2: v1(87.09,86.55) 87.85,86.55 91.42,82.97 91.42,78.54 90.72,77.84 J2.6 ; U3#2.19 78.76,94.87 v1(78.32,94.44) ; v1(86.12,97.47) 86.02,97.37 86.02,96.47 88.76,93.72 v1(88.76,91.72)
Board_3-VBAT: length 27.6
  Top w0.8: J2.1 90.37,81.28 89.47,82.17 v1(81.02,82.17) v1(79.72,82.17) 76.52,82.17 75.05,80.7 J1.1
  Bottom w0.2: C2#6.1 75.99,84.07 R3#8.1 77.26,85.34 77.26,87.79 U2#12.3
  Bottom w0.5: J1.1 75.05,81.73 C2#6.1
  vias: v1(83.73,81.99) v1(85.02,81.97) v1(88.02,82.07) v1(89.72,82.07)
Board_3-VLOGIC: length 40.4
  Top w0.2: U1#8.9 89.88,88.14 v1(87.32,85.57) v1(83.22,85.57) v1(79.72,85.57) 78.02,87.27 v1(78.02,92.77) 78.02,93.46 76.42,95.05 v1(76.42,96.88)
  Bottom w0.2: U2#12.2 77.97,91.6 C3#7.1 78.02,91.8 v1(78.02,92.77) ; v1(83.22,85.57) 83.29,85.5 U6#9.8 U6#9.7 ; U3#2.4 81.29,97.37 C4#11.1 80.72,98.35 78.59,98.35 77.13,96.88 v1(76.42,96.88) ; U7#7.7 U7#7.8 87.35,85.54 v1(87.32,85.57) ; U5#12.7 U5#12.8 79.16,85.02 v1(79.72,85.57)
Board_3-VSENSE: length 19.1
  Top w0.2: v1(79.16,88.3) 79.28,88.17 82.43,88.17 82.82,88.56 82.82,91.87 v1(83.42,92.47)
  Bottom w0.2: R4#9.1 76.32,85.98 R3#8.2 76.32,88.79 76.6,89.07 77.35,89.07 78.13,88.3 v1(79.16,88.3) ; v1(83.42,92.47) 83.42,93.67 83.02,94.07 U3#2.9
Board_3-WEAPON2: length 3.2
  Bottom w0.2: R7#2.2 R5#6.1 87.63,87.47 J3#8.2
Board_3-WEAPON3: length 3.8
  Bottom w0.2: R8#3.2 R6#5.1 89.03,89.47 J3#8.1
Board_4-/W2: length 11.6
  Top w0.2: v1(13.78,54.99) 15.77,54.99 v1(15.97,54.79)
  Bottom w0.2: v1(13.78,54.99) 14.08,55.29 U3#11.15 ; v1(15.97,54.79) 19,54.79 20.4,53.39 R5#2.2
Board_4-/W3: length 11.2
  Top w0.2: v1(16.1,56.09) 13.3,56.09 v1(13.2,56.19)
  Bottom w0.2: R6#10.2 19.89,56.09 v1(16.1,56.09) ; v1(13.2,56.19) 13.43,56.41 U3#11.16
Board_4-BLINKY: length 14.8
  Top w0.2: v1(16.46,58.71) 16.46,62.84 v1(16.9,63.29)
  Bottom w0.2: v1(16.9,63.29) 15.5,64.69 12.1,64.69 10.91,63.5 D1.2 ; v1(16.46,58.71) 16.46,59.46 U3#11.10
Board_4-GIO1: length 8.2
  Top w0.2: v1(10.6,59.79) 10.6,60.18 U1#11.2
  Bottom w0.2: U3#11.1 13.93,61.69 11.14,61.69 10.72,61.27 10.72,59.91 v1(10.6,59.79)
Board_4-GND: length 81.6
  Top w0.2: J2#4.3 24.7,43.76 25.4,44.46 25.4,47.99 22.6,50.79 v1(22.56,50.75)
  Top w0.3: U1#11.7 7.53,50.86 7.53,44.57 J1#8.2
  Bottom w0.2: v1(22.56,50.75) 22.69,50.62 C7#9.2 ; R1#3.2 9.53,53.65 v1(9.6,53.58) ; R1#3.2 R4#3.2 7.75,51 7.75,49.27 C2#12.2 ; R1#3.2 10.05,55.18 U2.1 10.33,56.1 C3#8.2 10.33,58.59 v1(9.22,59.69) 10.32,60.78 10.32,61.43 12.38,63.49 C4#2.2 14.88,62.54 U3#11.3 v1(14.88,60.56) U3#11.21 ; U5#6.4 11.65,48.63 12.12,49.1 U5#6.9 ; v1(21.3,58.49) 19.9,58.49 18.4,56.99 16.09,56.99 v1(15.99,57.08) ; R7#8.1 R8#12.1 20.29,55.39 v1(19.46,55.39) ; U7#9.9 20.32,49.1 19.84,48.63 U7#9.4 ; U6#6.4 15.78,48.63 16.25,49.1 U6#6.9